# Altium PCB Power Distribution Board.PcbDoc (part 1 of 3) (continued)
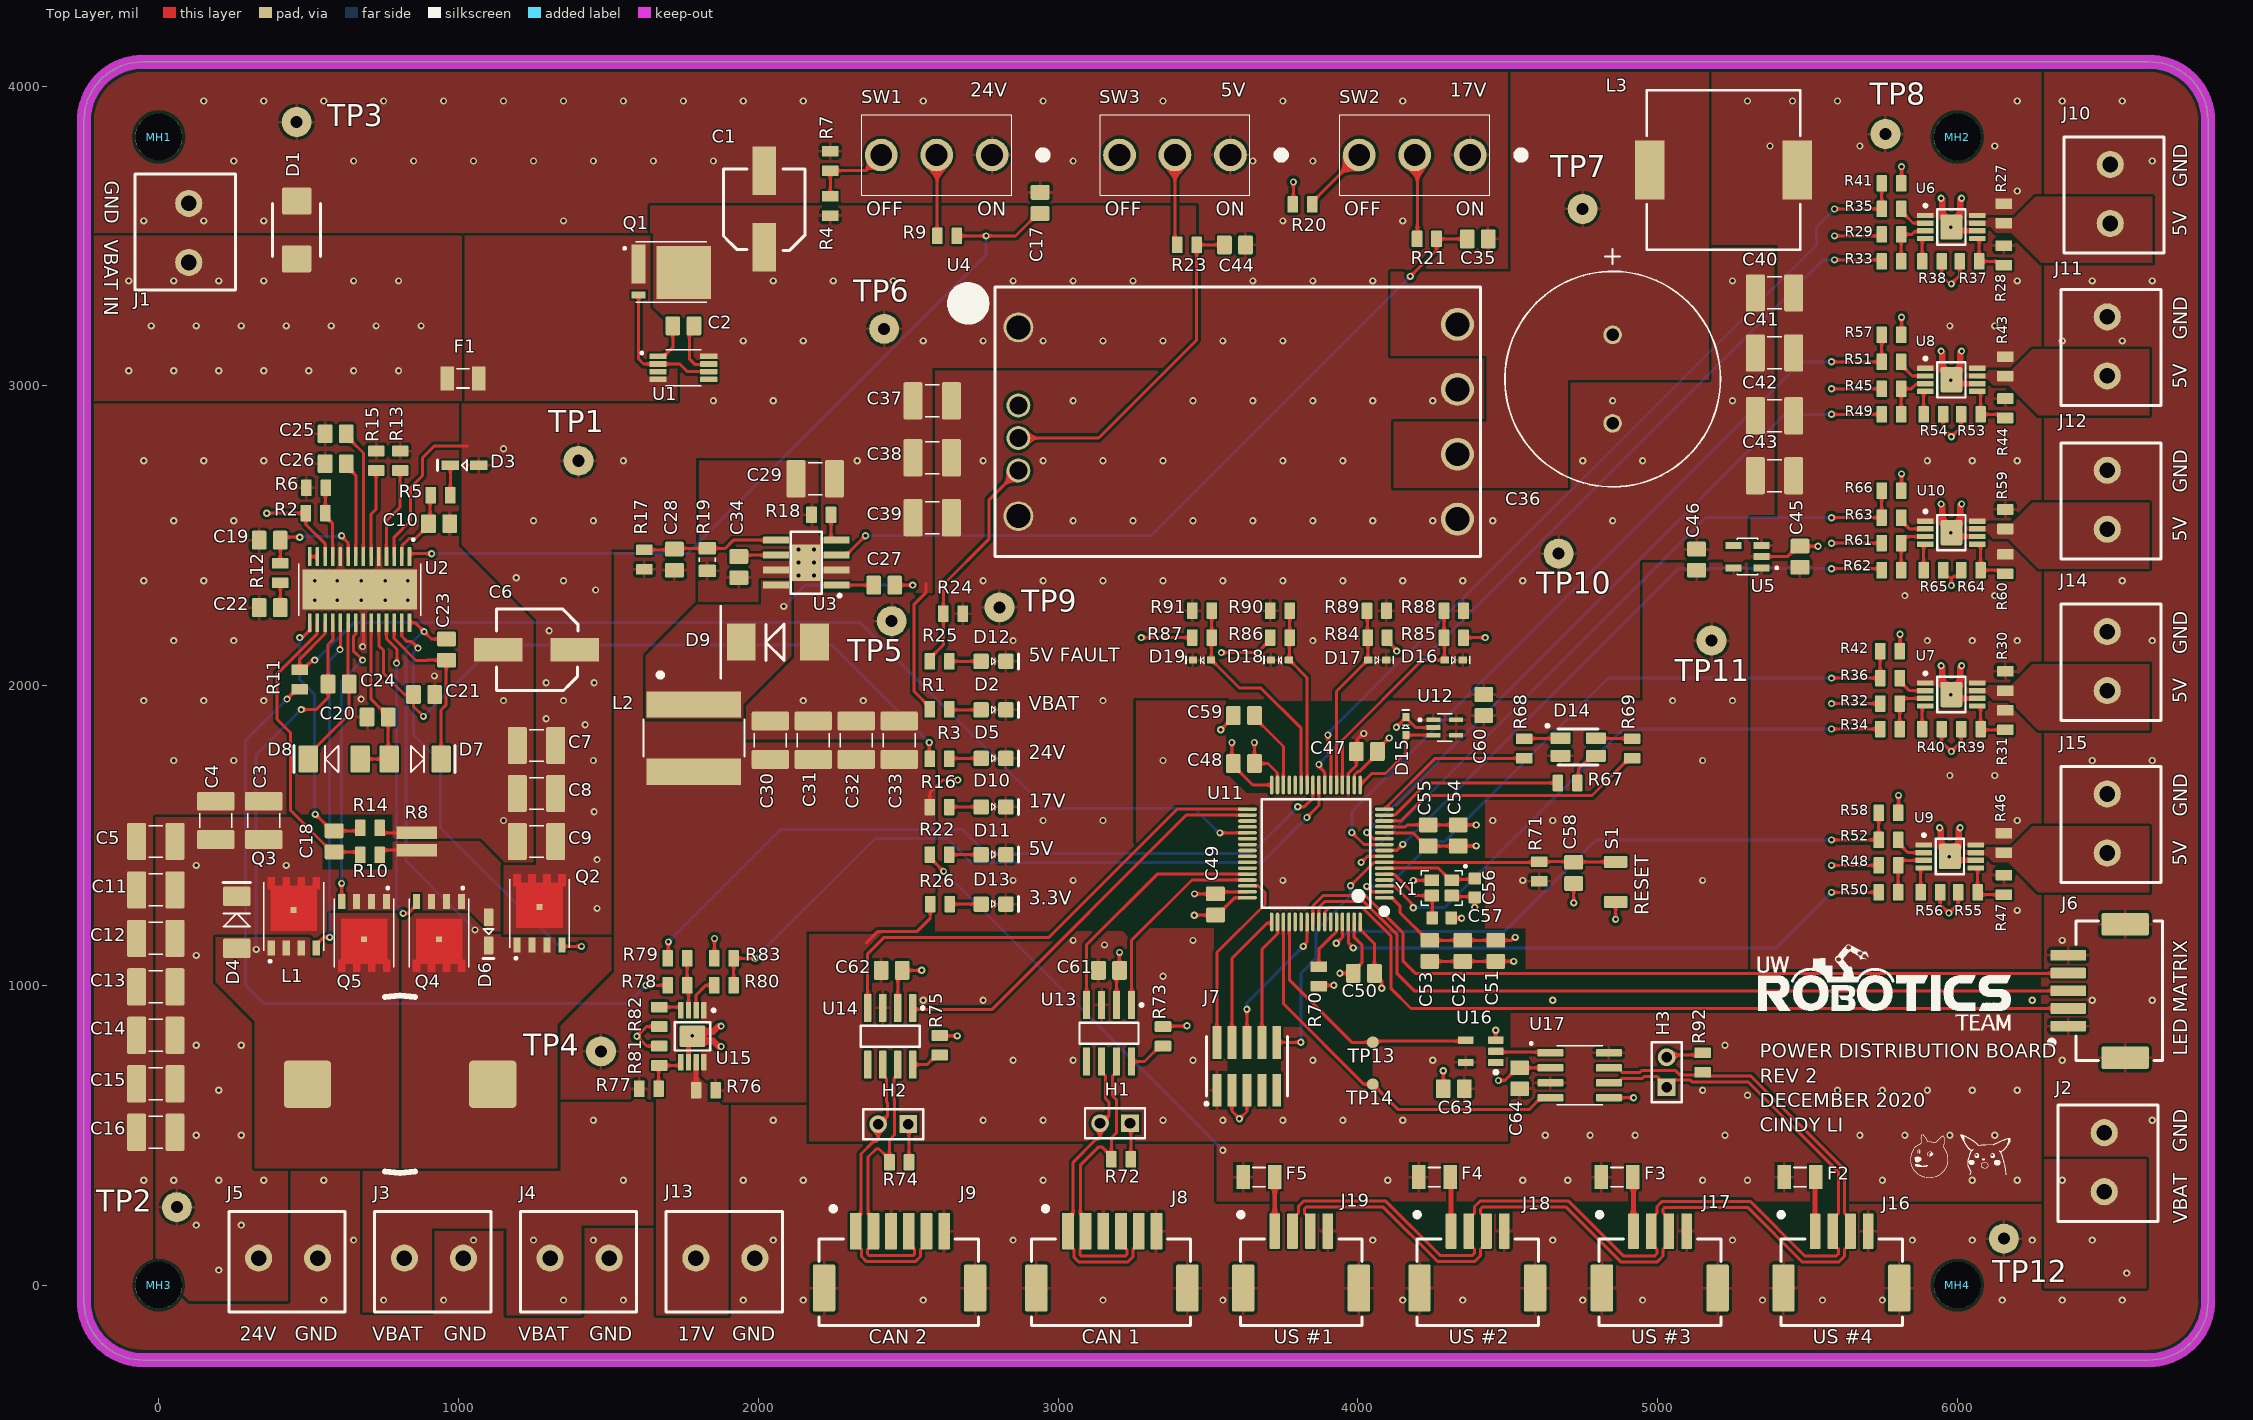
[diagram p0: Top Layer view]
## Design rules (kind name [scope] priority, off if disabled: settings) (continued)

## Classes and differential pairs
component class "SH10 - RS-485": C63 C64 F2 F3 F4 F5 H3 J16 J17 J18 J19 R92 TP13 TP14 TP20 TP21 U16 U17
component class "SH9 - CAN": C61 C62 H1 H2 J8 J9 R72 R73 R74 R75 U13 U14
component class "SH8 - MICROCONTROLLER": C47 C48 C49 C50 C51 C52 C53 C54 C55 C56 C57 C58 C59 C60 D14 D15 J6 J7 MH1 MH2 MH3 MH4 R67 R68 R69 R70 R71 S1 U11 U12 Y1
component class "SH7 - LOAD MONITORING 2": D16 D17 D18 D19 J10 J11 J12 J13 J14 J15 R76 R77 R78 R79 R80 R81 R82 R83 R84 R85 R86 R87 R88 R89 R90 R91 U15
component class "SH6 - LOAD MONITORING 1": R27 R28 R29 R30 R31 R32 R33 R34 R35 R36 R37 R38 R39 R40 R41 R42 R43 R44 R45 R46 R47 R48 R49 R50 R51 R52 R53 R54 R55 R56 R57 R58 R59 R60 R61 R62 R63 R64 R65 R66 U6 U7 U8 U9 U10
component class "SH5 - 3.3V LINEAR REGULATOR": C45 C46 D13 R26 TP11 TP12 U5
component class "SH4 - 5V VICOR DCDC": C36 C37 C38 C39 C40 C41 C42 C43 C44 D11 D12 L3 R22 R23 R24 R25 SW3 TP6 TP7 TP8 TP9 TP10 U4
component class "SH3 - 17V BUCK CONVERTER": C27 C28 C29 C30 C31 C32 C33 C34 C35 D9 D10 L2 R16 R17 R18 R19 R20 R21 SW2 TP4 TP5 U3
component class "SH2 - 24V BUCK-BOOST CONVERTER": C3 C4 C5 C6 C7 C8 C9 C10 C11 C12 C13 C14 C15 C16 C17 C18 C19 C20 C21 C22 C23 C24 C25 C26 D3 D4 D5 D6 D7 D8 J5 L1 Q2 Q3 Q4 Q5 R2 R3 R4 R5 R6 R7 R8 R9 R10 R11 R12 R13 R14 R15 SW1 TP1 TP2 TP3 U2
component class "SH1 - POWER": C1 C2 D1 D2 F1 J1 J2 J3 J4 Q1 R1 U1
differential pair CANB: +CANB_P -CANB_N
differential pair CANA: +CANA_P -CANA_N
differential pair RS-485: +RS-485_P -RS-485_N

## Components (designator, comment, footprint, x,y, rotation, side; value= is the part's Value field where it differs from the comment)
C1 "CAP_68uF_35V_ALUM" RADIAL_NICHION_1V 2020,3580 r0 top value=68μF
C2 "CAP_2.2uF_25V_0805" CAP2012 1750,3200 r0 top value=2.2μF
C3 "CAP_10uF_100V_1210" CAP1210 350,1550 r90 top value=10μF
C4 "CAP_10uF_100V_1210" CAP1210 190,1550 r90 top value=10μF
C5 "CAP_10uF_100V_1210" CAP1210 -10,1480 r0 top value=10μF
C6 "CAP_68uF_35V_ALUM" RADIAL_NICHION_1V 1270,2120 r90 top value=68μF
C7 "CAP_10uF_100V_1210" CAP1210 1260,1800 r0 top value=10μF
C8 "CAP_10uF_100V_1210" CAP1210 1260,1640 r0 top value=10μF
C9 "CAP_10uF_100V_1210" CAP1210 1260,1480 r0 top value=10μF
C10 "CAP_0.22uF_50V_0805" CAP2012 935,2540 r180 top value=0.22μF
C11 "CAP_10uF_100V_1210" CAP1210 -10,1318.33 r180 top value=10μF
C12 "CAP_10uF_100V_1210" CAP1210 -10,1156.67 r180 top value=10μF
C13 "CAP_10uF_100V_1210" CAP1210 -10,995 r0 top value=10μF
C14 "CAP_10uF_100V_1210" CAP1210 -10,833.33 r180 top value=10μF
C15 "CAP_10uF_100V_1210" CAP1210 -10,671.67 r180 top value=10μF
C16 "CAP_10uF_100V_1210" CAP1210 -10,510 r0 top value=10μF
C17 "CAP_0.1uF_50V_0805" CAP2012 2940,3610 r270 top value=0.1μF
C18 "CAP_47pF_100V_0805" CAP2012 585,1480 r90 top
C19 "CAP_33pF_50V_0805" CAP2012 370,2485 r0 top value=33pF
C20 "CAP_1uF_50V_0805" CAP2012 730,1895 r0 top value=1μF
C21 "CAP_1uF_50V_0805" CAP2012 885,1970 r180 top value=1μF
C22 "CAP_5600pF_50V_0805" CAP2012 370,2260 r0 top
C23 "CAP_0.1uF_50V_0805" CAP2012 960,2120 r270 top value=0.1μF
C24 "CAP_0.1uF_50V_0805" CAP2012 600,2005 r0 top value=0.1μF
C25 "CAP_100pF_50V_0805" CAP2012 590,2840 r0 top value=100pF
C26 "CAP_0.022uF_50V_0805" CAP2012 590,2740 r0 top value=22nF
C27 "CAP_0.22uF_50V_0805" CAP2012 2420,2335 r180 top value=0.22μF
C28 "CAP_470pF_50V_0805" CAP2012 1720,2420 r270 top
C29 "CAP_10uF_100V_1210" CAP1210 2190,2690 r180 top value=10μF
C30 "CAP_10uF_100V_1210" CAP1210 2040,1817.81 r270 top value=10μF
C31 "CAP_10uF_100V_1210" CAP1210 2183.33,1817.81 r270 top value=10μF
C32 "CAP_10uF_100V_1210" CAP1210 2326.67,1817.81 r270 top value=10μF
C33 "CAP_10uF_100V_1210" CAP1210 2470,1817.81 r270 top value=10μF
C34 "CAP_8200pF_50V_0805" CAP2012 1935,2395 r90 top
C35 "CAP_0.1uF_50V_0805" CAP2012 4400,3490 r180 top value=0.1μF
C36 "URS1A103MHD1TN" CAP_UBY_18X25_NC 4850,3170 r270 top
C37 "CAP_10uF_100V_1210" CAP1210 2580,2950 r180 top value=10μF
C38 "CAP_10uF_100V_1210" CAP1210 2580,2760 r180 top value=10μF
C39 "CAP_10uF_100V_1210" CAP1210 2580,2560 r180 top value=10μF
C40 "CAP_10uF_100V_1210" CAP1210 5390,3310 r0 top value=10μF
C41 "CAP_10uF_100V_1210" CAP1210 5390,3110 r0 top value=10μF
C42 "CAP_10uF_100V_1210" CAP1210 5390,2900 r0 top value=10μF
C43 "CAP_10uF_100V_1210" CAP1210 5390,2700 r0 top value=10μF
C44 "CAP_0.1uF_50V_0805" CAP2012 3590,3470 r180 top value=0.1μF
C45 "CAP_1uF_50V_0805" CAP2012 5475,2430 r270 top value=1μF
C46 "CAP_1uF_50V_0805" CAP2012 5130,2420 r270 top value=1μF
C47 "CAP_0.1uF_50V_0805" CAP2012 4030,1780 r180 top value=0.1μF
C48 "CAP_0.1uF_50V_0805" CAP2012 3620,1740 r180 top value=0.1μF
C49 "CAP_0.1uF_50V_0805" CAP2012 3525,1270 r270 top value=0.1μF
C50 "CAP_0.1uF_50V_0805" CAP2012 4020,1040 r0 top value=0.1μF
C51 "CAP_4.7uF_16V_0805" CAP2012 4460,1115 r90 top value=4.7μF
C52 "CAP_0.1uF_50V_0805" CAP2012 4350,1115 r90 top value=0.1μF
C53 "CAP_0.1uF_50V_0805" CAP2012 4240,1115 r90 top value=0.1μF
C54 "CAP_0.01uF_100V_0805" CAP2012 4335,1500 r90 top value=0.01μF
C55 "CAP_1uF_50V_0805" CAP2012 4235,1500 r90 top value=1μF
C56 "CAP_14pF_50V_0603" CAP0603 4390,1325 r90 top value=14pF
C57 "CAP_14pF_50V_0603" CAP0603 4280,1225 r180 top value=14pF
C58 "CAP_1uF_50V_0805" CAP2012 4720,1375 r90 top value=1μF
C59 "CAP_4.7uF_16V_0805" CAP2012 3620,1900 r0 top value=4.7μF
C60 "CAP_0.01uF_100V_0805" CAP2012 4420,1935 r270 top value=0.01μF
C61 "CAP_0.1uF_50V_0805" CAP2012 3170,1050 r0 top value=0.1μF
C62 "CAP_0.1uF_50V_0805" CAP2012 2445,1050 r0 top value=0.1μF
C63 "CAP_0.1uF_50V_0805" CAP2012 4320,655 r180 top value=0.1μF
C64 "CAP_0.1uF_50V_0805" CAP2012 4540,690 r90 top value=0.1μF
D1 "TVS_DIODE_BIDIR_26V" TVS_DIODE_BIDIRECTIONAL 460,3520 r270 top
D2 "DIO_LED_G" LED_0805_GREEN 2784.55,1919 r0 top
D3 "DIO_SCHOTTKY_40V_520mA" SOD-323 1020,2735 r180 top
D4 "DIO_SCHOTTKY_30V_2A" SOD-128 260,1210 r90 top
D5 "DIO_LED_G" LED_0805_GREEN 2784.55,1757 r0 top
D6 "DIO_SCHOTTKY_40V_520mA" SOD-323 1100,1180 r270 top
D7 "DIO_SCHOTTKY_30V_2A" SOD-128 855,1755 r0 top
D8 "DIO_SCHOTTKY_30V_2A" SOD-128 585,1755 r180 top
D9 "B540C-13-F" "DO214AB SMC" 2065,2145 r180 top
D10 "DIO_LED_G" LED_0805_GREEN 2784.55,1595 r0 top
D11 "DIO_LED_G" LED_0805_GREEN 2784.55,1436 r0 top
D12 "DIO_LED_R" LED_0805_RED 2784.55,2081 r0 top
D13 "DIO_LED_G" LED_0805_GREEN 2784.55,1271 r0 top
D14 "LED_RGB" LED_RGB 4735,1795 r270 top
D15 "TVS_DIODE_UNIDIR_3.3V" SOD523 4160,1865 r90 top
D16 "TVS_DIODE_UNIDIR_3.3V" SOD523 4320,2085 r0 top
D17 "TVS_DIODE_UNIDIR_3.3V" SOD523 4065,2085 r0 top
D18 "TVS_DIODE_UNIDIR_3.3V" SOD523 3740,2085 r180 top
D19 "TVS_DIODE_UNIDIR_3.3V" SOD523 3480,2085 r180 top
F1 "FUSE_8A_1206" FUSE_1206 1015,3025 r0 top
F2 "FUSE_250mA_1206" FUSE_1206 5475,360 r180 top
F3 "FUSE_250mA_1206" FUSE_1206 4865,360 r180 top
F4 "FUSE_250mA_1206" FUSE_1206 4255,360 r180 top
F5 "FUSE_250mA_1206" FUSE_1206 3670,360 r180 top
H1 "JUMPER_2" HDR1X2 3240,540 r180 top
H2 "JUMPER_2" HDR1X2 2499.76,537.09 r180 top
H3 "JUMPER_2" HDR1X2 5030,660 r90 top
J1 "CON_2M_TERM" 1935161 100,3510 r270 top
J2 "CON_2M_TERM" 1935161 6490,410 r90 top
J3 "CON_2M_TERM" 1935161 917.72,90 r0 top
J4 "CON_2M_TERM" 1935161 1403.86,90 r0 top
J5 "CON_2M_TERM" 1935161 431.57,90 r0 top
J6 "CON_5M_SM_RA" MOLEX-5025850570 6370,863.78 r270 top
J7 "CON_PROGRAMMING" FTSH-105-01-F-DV-K-P-TR 3630,730 r0 top
J8 "CON_6M_SM_RA_1.5mm" MOLEX-5025850670 3032.83,180 r180 top
J9 "CON_6M_SM_RA_1.5mm" MOLEX-5025850670 2324.72,180 r180 top
J10 "CON_2M_TERM" 1935161 6510,3640 r90 top
J11 "CON_2M_TERM" 1935161 6500,3131.57 r90 top
J12 "CON_2M_TERM" 1935161 6500,2620 r90 top
J13 "CON_2M_TERM" 1935161 1890,90 r0 top
J14 "CON_2M_TERM" 1935161 6500,2081.57 r90 top
J15 "CON_2M_TERM" 1935161 6500,1540 r90 top
J16 "CON_4M_SM_RA" MOLEX-5025850470 5525.31,179.75 r180 top
J17 "CON_4M_SM_RA" MOLEX-5025850470 4919.49,179.75 r180 top
J18 "CON_4M_SM_RA" MOLEX-5025850470 4310.94,180 r180 top
J19 "CON_4M_SM_RA" MOLEX-5025850470 3722.83,180 r180 top
L1 "IND_2.2uH_9A" IND_BOURNS_SDR1806 805,670 r0 top
L2 "SRN8040-2R2Y" IND_BOURNS_SRN80 1785,1825 r270 top
L3 "744309033" "WE-HCM 1390" 5220,3720 r0 top
MH1 "MOUNTING_HOLE_5/32" MOUNTING_HOLE_5/38#1 120,3890 r0 top
MH2 "MOUNTING_HOLE_5/32" MOUNTING_HOLE_5/38#2 4740,3910 r0 top
MH3 "MOUNTING_HOLE_5/32" MOUNTING_HOLE_5/38#3 60,30 r0 top
MH4 "MOUNTING_HOLE_5/32" MOUNTING_HOLE_5/38#4 4820,20 r0 top
Q1 "NMOS_40V_100A" TRANS_BSC007N04LS6ATMA1 1710,3380 r0 top
Q2 "NMOS_60V_10.8A" TRANS_DMP2002UPS-13 1270,1240 r90 top
Q3 "NMOS_60V_10.8A" TRANS_DMP2002UPS-13 450,1230 r90 top
Q4 "NMOS_60V_10.8A" TRANS_DMP2002UPS-13 935,1174.88 r270 top
Q5 "NMOS_60V_10.8A" TRANS_DMP2002UPS-13 685,1174.88 r270 top
R1 "RES_4.7kΩ_0805_5%" RESC0805 2604.55,1921 r180 top value=4.7kΩ
R2 "RES_576kΩ_0805_1%" RESC0805 523,2575 r180 top value=576kΩ
R3 "RES_4.7kΩ_0805_5%" RESC0805 2604.55,1755.15 r180 top value=4.7kΩ
R4 "RES_249kΩ_0805_1%" RESC0805 2240,3600 r270 top value=249kΩ
R5 "RES_10Ω_0805_1%" RESC0805 940,2635 r0 top value=10Ω
R6 "RES_20kΩ_0805_1%" RESC0805 525,2660 r0 top value=20kΩ
R7 "RES_18.7kΩ_0805_1%" RESC0805 2240,3750 r270 top value=18.7kΩ
R8 "RES_16mΩ_1206_1%" RESC1632X60N 860,1480 r270 top value=16mΩ
R9 "RES_1kΩ_0805_1%" RESC0805 2630,3500 r0 top
R10 "RES_100Ω_0805_1%" RESC0805 705,1435 r180 top value=100Ω
R11 "RES_20kΩ_0805_1%" RESC0805 470,2020 r270 top value=20kΩ
R12 "RES_26.7kΩ_0805_1%" RESC0805 405,2375 r90 top value=26.7kΩ
R13 "RES_93.1kΩ_0805_1%" RESC0805 805,2750 r270 top value=93.1kΩ
R14 "RES_100Ω_0805_1%" RESC0805 705,1525 r180 top value=100Ω
R15 "RES_73.2kΩ_0805_1%" RESC0805 725,2750 r270 top value=73.2kΩ
R16 "RES_3.3kΩ_0805_1%" RESC0805 2604.55,1594.72 r180 top
R17 "RES_221kΩ_0805_1%" RESC0805 1620,2420 r270 top
R18 "RES_13.7kΩ_0805_1%" RESC0805 2210,2570 r0 top
R19 "RES_10.2kΩ_0805_1%" RESC2012X60N 1830,2420 r90 top
R20 "RES_1kΩ_0805_1%" RESC0805 3815,3605 r180 top
R21 "RES_1kΩ_0805_1%" RESC0805 4230,3490 r0 top
R22 "RES_1kΩ_0805_1%" RESC0805 2604.55,1436 r180 top
R23 "RES_1kΩ_0805_1%" RESC0805 3430,3470 r0 top
R24 "RES_49.9kΩ_0805_1%" RESC0805 2650,2240 r0 top
R25 "RES_1kΩ_0805_1%" RESC0805 2604.55,2081 r180 top
R26 "RES_220Ω_0805_5%" RESC0805 2606.04,1271 r180 top value=220Ω
R27 "RES_10kΩ_0805_5%" RESC0805 6155,3575 r90 top value=10kΩ
R28 "RES_10kΩ_0805_5%" RESC0805 6155,3435 r90 top value=10kΩ
R29 "RES_10kΩ_0805_5%" RESC0805 5780,3505 r180 top value=10kΩ
R30 "RES_10kΩ_0805_5%" RESC0805 6160,2015 r90 top value=10kΩ
R31 "RES_10kΩ_0805_5%" RESC0805 6160,1885 r90 top value=10kΩ
R32 "RES_10kΩ_0805_5%" RESC0805 5775,1940 r180 top value=10kΩ
R33 "RES_1kΩ_0805_1%" RESC0805 5780,3415 r180 top
R34 "RES_1kΩ_0805_1%" RESC0805 5775,1855 r180 top
R35 "RES_1kΩ_0805_1%" RESC0805 5780,3590 r0 top
R36 "RES_1kΩ_0805_1%" RESC0805 5775,2025 r0 top
R37 "RES_0Ω_0805" RESC0805 6040,3415 r0 top value=0Ω
R38 "RES_402Ω_0805_1%" RESC0805 5915,3415 r180 top value=402Ω
R39 "RES_0Ω_0805" RESC0805 6045,1855 r0 top value=0Ω
R40 "RES_402Ω_0805_1%" RESC0805 5915,1855 r180 top value=402Ω
R41 "RES_10kΩ_0805_5%" RESC0805 5780,3675 r180 top value=10kΩ
R42 "RES_10kΩ_0805_5%" RESC0805 5775,2115 r180 top value=10kΩ
R43 "RES_10kΩ_0805_5%" RESC0805 6160,3065 r90 top value=10kΩ
R44 "RES_10kΩ_0805_5%" RESC0805 6160,2925 r90 top value=10kΩ
R45 "RES_10kΩ_0805_5%" RESC0805 5780,2990 r180 top value=10kΩ
R46 "RES_10kΩ_0805_5%" RESC0805 6155,1475 r90 top value=10kΩ
R47 "RES_10kΩ_0805_5%" RESC0805 6155,1335 r90 top value=10kΩ
R48 "RES_10kΩ_0805_5%" RESC0805 5770,1400 r180 top value=10kΩ
R49 "RES_1kΩ_0805_1%" RESC0805 5780,2905 r180 top
R50 "RES_1kΩ_0805_1%" RESC0805 5770,1310 r180 top
R51 "RES_1kΩ_0805_1%" RESC0805 5780,3080 r0 top
R52 "RES_1kΩ_0805_1%" RESC0805 5770,1485 r0 top
R53 "RES_0Ω_0805" RESC0805 6045,2905 r0 top value=0Ω
R54 "RES_402Ω_0805_1%" RESC0805 5920,2905 r180 top value=402Ω
R55 "RES_0Ω_0805" RESC0805 6035,1310 r0 top value=0Ω
R56 "RES_402Ω_0805_1%" RESC0805 5910,1310 r180 top value=402Ω
R57 "RES_10kΩ_0805_5%" RESC0805 5780,3170 r180 top value=10kΩ
R58 "RES_10kΩ_0805_5%" RESC0805 5770,1575 r180 top value=10kΩ
R59 "RES_10kΩ_0805_5%" RESC0805 6160,2555 r90 top value=10kΩ
R60 "RES_10kΩ_0805_5%" RESC0805 6160,2405 r90 top value=10kΩ
R61 "RES_10kΩ_0805_5%" RESC0805 5780,2475 r180 top value=10kΩ
R62 "RES_1kΩ_0805_1%" RESC0805 5780,2385 r180 top
R63 "RES_1kΩ_0805_1%" RESC0805 5780,2560 r0 top
R64 "RES_0Ω_0805" RESC0805 6045,2385 r0 top value=0Ω
R65 "RES_402Ω_0805_1%" RESC0805 5920,2385 r180 top value=402Ω
R66 "RES_10kΩ_0805_5%" RESC0805 5780,2650 r180 top value=10kΩ
R67 "RES_20Ω_0805_1%" RESC0805 4700,1675 r180 top value=20Ω
R68 "RES_120Ω_0805_1%" RESC0805 4555,1790 r90 top
R69 "RES_20Ω_0805_1%" RESC0805 4915,1790 r270 top value=20Ω
R70 "RES_10kΩ_0805_5%" RESC0805 3870,1030 r270 top value=10kΩ
R71 "RES_10kΩ_0805_5%" RESC0805 4605,1380 r270 top value=10kΩ
R72 "RES_120Ω_0805_1%" RESC0805 3210,420 r0 top
R73 "RES_0Ω_0805" RESC0805 3350,830 r270 top value=0Ω
R74 "RES_120Ω_0805_1%" RESC0805 2470,410 r0 top
R75 "RES_0Ω_0805" RESC0805 2605,800 r270 top value=0Ω
R76 "RES_10kΩ_0805_5%" RESC0805 1825,650 r0 top value=10kΩ
R77 "RES_10kΩ_0805_5%" RESC0805 1635,655 r180 top value=10kΩ
R78 "RES_10kΩ_0805_5%" RESC0805 1730,1000 r180 top value=10kΩ
R79 "RES_1kΩ_0805_1%" RESC0805 1730,1090 r180 top
R80 "RES_1kΩ_0805_1%" RESC0805 1885,1000 r180 top
R81 "RES_0Ω_0805" RESC0805 1670,765 r270 top value=0Ω
R82 "RES_402Ω_0805_1%" RESC0805 1670,895 r90 top value=402Ω
R83 "RES_10kΩ_0805_5%" RESC0805 1885,1090 r0 top value=10kΩ
R84 "RES_5.6kΩ_0805" RESC0805 4065,2160 r0 top value=5.6kΩ
R85 "RES_2.2kΩ_0805" RESC0805 4320,2160 r0 top value=2.2kΩ
R86 "RES_9.1kΩ_0805" RESC0805 3740,2160 r180 top value=9.1kΩ
R87 "RES_9.1kΩ_0805" RESC0805 3480,2160 r180 top value=9.1kΩ
R88 "RES_3.3kΩ_0805_1%" RESC0805 4320,2250 r180 top
R89 "RES_1.2kΩ_0805" RESC0805 4062.99,2250 r180 top value=1.2kΩ
R90 "RES_1.3kΩ_0805" RESC0805 3740,2250 r0 top value=1.3kΩ
R91 "RES_1.3kΩ_0805" RESC0805 3480,2250 r0 top value=1.3kΩ
R92 "RES_120Ω_0805_1%" RESC0805 5150,742.99 r90 top
S1 "SW_TACTILE" B3U-1000P 4860,1345 r90 top
SW1 "SW_SPDT" 100SP1T1B4M2QE 2594.96,3770 r180 top
SW2 "SW_SPDT" 100SP1T1B4M2QE 4190,3770 r180 top
SW3 "SW_SPDT" 100SP1T1B4M2QE 3390,3770 r180 top
TP1 "TESTPOINT_LOOP" TESTPOINT_LOOP 1400,2750 r0 top
TP2 "TESTPOINT_LOOP" TESTPOINT_LOOP 60,260 r0 top
TP3 "TESTPOINT_LOOP" TESTPOINT_LOOP 460,3880 r0 top
TP4 "TESTPOINT_LOOP" TESTPOINT_LOOP 1475,780 r0 top
TP5 "TESTPOINT_LOOP" TESTPOINT_LOOP 2445,2215 r0 top
TP6 "TESTPOINT_LOOP" TESTPOINT_LOOP 2420,3190 r0 top
TP7 "TESTPOINT_LOOP" TESTPOINT_LOOP 4750,3590 r0 top
TP8 "TESTPOINT_LOOP" TESTPOINT_LOOP 5760,3840 r0 top
TP9 "TESTPOINT_LOOP" TESTPOINT_LOOP 2804.55,2261 r0 top
TP10 "TESTPOINT_LOOP" TESTPOINT_LOOP 4670,2440 r180 top
TP11 "TESTPOINT_LOOP" TESTPOINT_LOOP 5180,2150 r180 top
TP12 "TESTPOINT_LOOP" TESTPOINT_LOOP 6155,155 r180 top
TP13 "TESTPOINT_1MM_CIRCLE" TESTPOINT_CIRCLE_1MM 4050,810 r0 top
TP14 "TESTPOINT_1MM_CIRCLE" TESTPOINT_CIRCLE_1MM 4050,670 r180 top
U1 "LM74610QDGKRQ1" SOP65P490X110-8N 1750,3060 r0 top
U2 "LM5175PWPR" IC_TPS61196PWPRQ1 670,2320 r270 top
U3 "LMR14050SDDAR" 8-PowerSOIC 2160,2410 r180 top
U4 "DCM3623T50T0680" DCM3623T50T0680 3600,2880 r0 top
U5 "LDO_3.3V_600mA" SOT95P285X140-5N 5300,2430 r180 top
U6 "TPS1H200A-Q1" DGN0008G 5980,3530 r0 top
U7 "TPS1H200A-Q1" DGN0008G 5980,1970 r0 top
U8 "TPS1H200A-Q1" DGN0008G 5980,3020 r0 top
U9 "TPS1H200A-Q1" DGN0008G 5975,1430 r0 top
U10 "TPS1H200A-Q1" DGN0008G 5980,2510 r0 top
U11 "STM32F446RET6" STM-LQFP64_L 3860,1440 r180 top
U12 "IC TEMPERATURE_SENSOR" SOT65P210X110-5N 4290,1860 r0 top
U13 "LTC2875" LT-S8_N 3170,840 r270 top
U14 "LTC2875" LT-S8_N 2440,830 r270 top
U15 "TPS1H200A-Q1" DGN0008G 1780,830 r270 top
U16 "SN74LV1T34" SN74LV1T34DBVR 4410,780 r180 top
U17 "MAX485CSA" SOIC127P600X175-8N 4740,700 r0 top
Y1 "CRYSTAL_25MHZ" SOIC254P1016X440-4N 4280,1325 r180 top

## Footprints (in the part's own frame and the unit in brackets; to place one, negate y for a bottom-side part, rotate by r counter-clockwise, add the part's x,y. Pads: shape width x height; smd on the part's side, far side on the other; paste and mask are expansions set on the pad)
8-PowerSOIC [mm] "Texas Instruments 8-SO PowerPad"
  rrect15% 2.2x0.6 smd: 1(-2.565,1.905) 2(-2.565,0.635) 3(-2.565,-0.635) 4(-2.565,-1.905) 5(2.565,-1.905) 6(2.565,-0.635) 7(2.565,0.635) 8(2.565,1.905)
  rect 2.4x3.1 smd: 9(0,0)
  silkscreen extent -2.95,-2.63 1.32,2.92, body extent -3,-2.45 3,2.45, height 1.75
100SP1T1B4M2QE [mm]
  round 2.775 hole 1.85: 1(-4.7,0) 2(0,0) 3(4.7,0)
  silkscreen extent -9.3,-3.43 6.35,3.43, body extent -6.35,-3.43 6.35,3.43, height 29.63
1935161 [mm] "TERM BLK 2POS SIDE ENTRY 5MM PCB"
  round 2.3 hole 1.325: 1(-2.5,0) 2(2.5,0)
  silkscreen extent -5.01,-4.57 4.83,3.94, body extent -5.01,-5.06 5.39,3.94, height 11.41
B3U-1000P [mm] "TACTILE SWITCH GREY"
  rrect15% 1x2 smd: 1(-1.7,0) 2(1.7,0)
  body extent -2,-1.25 2,1.25, height 1.6
CAP0603 [mm]
  rrect20% 1x1.1 smd: 1(-0.8,0) 2(0.8,0)
  body extent -0.87,-0.48 0.88,0.48, height 0.87
CAP1210 [mm]
  rrect15% 1.6x3.15 smd: 1(-1.625,0) 2(1.625,0)
  silkscreen extent -0.6,-1.35 0.6,1.35, body extent -1.7,-1.35 1.7,1.35, height 2.1
CAP2012 [mm]
  rrect20% 1.25x1.6 smd: 1(-0.895,0) 2(0.895,0)
  body extent -1.1,-0.7 1.1,0.75, height 1.41
CAP_UBY_18X25_NC [mil]
  round 62 hole 42 mask+0: 1(0,0) 2(295.28,0)
  silkscreen extent -287,-359 507,360, body extent -207,-354 502,354, height 1044
DCM3623T50T0680 [mm] "DC to DC Converter"
  round 2.53 hole 2.03: A(-18.6,8) E(-18.6,-8)
  round 2.79 hole 2.03: A'(18.6,8.25) B'(18.6,2.75) C'(18.6,-2.75) D'(18.6,-8.25)
  round 2.02 hole 1.52: B(-18.6,1.38) C(-18.6,-1.38) D(-18.6,-4.13)
  silkscreen extent -23.75,-11.4 20.57,11.4, body extent -19.54,-11.4 19.18,11.4, height 7.28
DGN0008G [mm] "8-TSSOP, 8-MSOP (0.118\", 3.00mm Width) Exposed Pad"
  rrect15% 1.4x0.45 smd: 1(-2.2,0.975) 2(-2.2,0.325) 3(-2.2,-0.325) 4(-2.2,-0.975) 5(2.2,-0.975) 6(2.2,-0.325) 7(2.2,0.325) 8(2.2,0.975)
  rrect15% 1.846x2.15 smd: 9(0,0)
  silkscreen extent -2.32,-1.5 1.2,1.92, body extent -2.45,-1.5 2.45,1.5, height 1.1
"DO214AB SMC" [mm] "Molded Diode, 2-Leads, Body 6.85x5.90mm, IPC Medium Density"
  rect 2.45x3.15 smd: 1(-3.1,0) 2(3.1,0)
  silkscreen extent -0.52,-3.05 4.83,3.05, body extent -3.97,-2.95 3.97,2.95, height 2.6
FTSH-105-01-F-DV-K-P-TR [mil] "Samtec programming header 10 positions"
  rect 29x110 smd mask+2: 1(-100,-80) 2(-100,80) 3(-50,-80) 4(-50,80) 5(0,-80) 6(0,80) 7(50,-80) 8(50,80) 9(100,-80) 10(100,80)
  silkscreen extent -140,-130 135,100, body extent -125,-115 125,175, height 276
FUSE_1206 [mil]
  rect 45x80 smd mask+1: 1(-52.5,0) 2(52.5,0)
  silkscreen extent -20,-32 20,32, body extent -65,-32 65,32, height 32
HDR1X2 [mm] "Connector; Header; 2 Position"
  rect 1.5x1.5 hole 0.9: 1(0,0)
  round 1.5 hole 0.9: 2(2.54,0)
  silkscreen extent -1.27,-1.27 3.81,1.27, body extent -1.27,-1.27 3.81,1.27, height 6.35
IC_TPS61196PWPRQ1 [mm]
  rrect25% 1.6x0.3 smd paste-2 mask+0: 1(-2.8,4.225) 2(-2.8,3.575) 3(-2.8,2.925) 4(-2.8,2.275) 5(-2.8,1.625) 6(-2.8,0.975) 7(-2.8,0.325) 8(-2.8,-0.325) 9(-2.8,-0.975) 10(-2.8,-1.625) 11(-2.8,-2.275) 12(-2.8,-2.925) 13(-2.8,-3.575) 14(-2.8,-4.225) 15(2.8,-4.225) 16(2.8,-3.575) 17(2.8,-2.925) 18(2.8,-2.275) 19(2.8,-1.625) 20(2.8,-0.975) 21(2.8,-0.325) 22(2.8,0.325) 23(2.8,0.975) 24(2.8,1.625) 25(2.8,2.275) 26(2.8,2.925) 27(2.8,3.575) 28(2.8,4.225)
  rect 3.4x9.7 smd paste-6 mask+0: 29(0,0)
  silkscreen extent -4.34,-5.17 2.2,5.17, body extent -3.2,-4.85 3.2,4.85, height 1.2
IND_BOURNS_SDR1806 [mm]
  rrect15% 4x4 smd mask+0.2: 1(-7.85,0) 2(7.85,0)
  silkscreen extent -1.27,-7.5 1.27,7.5, body extent -9.15,-7 9.15,7, height 6.6
IND_BOURNS_SRN80 [mil]
  rect 87x315 smd paste+0 mask+0: 1(-112.5,0) 2(112.5,0)
  silkscreen extent -218,-168 62,168, body extent -160,-156 160,156, height 156
LED_0805_GREEN [mm] "SMD, 2-Leads, Body 2x1.25mm"
  rrect20% 1.3x1.3 smd: 1(-1.05,0) 2(1.05,0)
  silkscreen extent -0.13,-0.64 2.11,0.64, body extent -1,-0.62 1,0.63, height 1.12
LED_0805_RED [mm] "SMD, 2-Leads, Body 2x1.25mm"
  rrect20% 1.3x1.3 smd: 1(-1.05,0) 2(1.05,0)
  silkscreen extent -0.15,-0.64 2.11,0.64, body extent -1,-0.62 1,0.63, height 1.12
LED_RGB [mm]
  rrect20% 1x1.7 smd: 1(-0.75,-1.5) 2(-0.75,1.5) 3(0.75,1.5) 4(0.75,-1.5)
  silkscreen extent -1.92,-2.72 1.53,1.7, body extent -1.4,-1.75 1.4,1.75, height 1.89
LT-S8_N [mm] "SOP, 8-Leads, Body 4.9x3.9mm, Pitch 1.27mm, IPC Medium Density"
  rrect20% 2.375x0.625 smd: 1(-2.4,1.905) 2(-2.4,0.635) 3(-2.4,-0.635) 4(-2.4,-1.905) 5(2.4,-1.905) 6(2.4,-0.635) 7(2.4,0.635) 8(2.4,1.905)
  silkscreen extent -2.52,-2.5 0.9,2.88, body extent -2.91,-2.4 2.87,2.5, height 1.45
MOLEX-5025850470 [mm] "CLIK-Mate, Surface Mount, Right Angle, 1.5mm pitch"
  rrect15% 1.9x4 smd: 0(-7.125,4.82) 0(2.675,4.82)
  rrect15% 0.9x3 smd: 1(0,0) 2(-1.5,0) 3(-3,0) 4(-4.5,0)
  silkscreen extent -7.4,-1.6 3.07,8, body extent -7.45,-0.62 2.85,7.88, height 6.41
MOLEX-5025850570 [mm]
  rrect15% 1.9x4 smd: 0(-8.625,4.82) 0(2.675,4.82)
  rrect15% 0.9x3 smd: 1(0,0) 2(-1.5,0) 3(-3,0) 4(-4.5,0) 5(-6,0)
  silkscreen extent -8.9,-1.6 2.9,8, body extent -8.9,-0.5 2.9,8, height 6.21
MOLEX-5025850670 [mm]
  rrect15% 1.9x4 smd: 0(-10.125,4.82) 0(2.675,4.82)
  rrect15% 1x3.1 smd: 1(0,0) 2(-1.5,0) 3(-3,0) 4(-4.5,0) 5(-6,0) 6(-7.5,0)
  silkscreen extent -10.4,-2.1 3.1,8, body extent -10.25,-0.62 3.05,7.88, height 6.41
MOUNTING_HOLE_5/38#1 [mm] "Meant to use with Mcmaster-carr PN: 91443A250"
  round 3.97 hole 3.97 unplated mask+0.3: 0(-3.048,-1.524)
MOUNTING_HOLE_5/38#2 [mm] "Meant to use with Mcmaster-carr PN: 91443A250"
  round 3.97 hole 3.97 unplated mask+0.3: 0(32.004,-2.032)
MOUNTING_HOLE_5/38#3 [mm] "Meant to use with Mcmaster-carr PN: 91443A250"
  round 3.97 hole 3.97 unplated mask+0.3: 0(-1.524,-0.762)
MOUNTING_HOLE_5/38#4 [mm] "Meant to use with Mcmaster-carr PN: 91443A250"
  round 3.97 hole 3.97 unplated mask+0.3: 0(29.972,-0.508)
RADIAL_NICHION_1V [mm] "Size G radial surface mount capacitor"
  rect 2x4.1 smd: 1(0,-3) 2(0,3.5)
  silkscreen extent -3.46,-3.25 3.46,3.62, body extent -3.4,-3.3 3.2,3.7, height 7.95
RESC0805 [mm] "Chip Resistor, 2-Leads, Body 2.00x1.25mm, IPC High Density"
  rrect15% 0.9x1.4 smd: 1(-0.825,0) 2(0.825,0)
  body extent -1,-0.62 1,0.63, height 0.61
RESC1632X60N [mm]
  rect 1.06x3.42 smd: 1(-0.728,0) 2(0.728,0)
  body extent -0.8,-1.62 0.8,1.58, height 0.6
RESC2012X60N [mm]
  rrect20% 1.05x1.5 smd: 1(-0.955,0) 2(0.955,0)
  silkscreen extent -0.17,-0.68 0.17,0.68, body extent -1,-0.62 1,0.62, height 0.6
SN74LV1T34DBVR [mm] "SOT-23-5, Unidirectional level shifter"
  rrect15% 1.3x0.63 smd mask+0.05: 1(-1.279,0.95) 2(-1.279,0) 3(-1.279,-0.95) 4(1.279,-0.95) 5(1.279,0.95)
  silkscreen extent -1.42,1.64 -1.14,1.92, body extent -1.4,-1.45 1.4,1.45, height 1.2
SOD523 [mm] "ESD5Z3.3T1G"
  rrect15% 0.7x0.6 smd: 1(-0.76,0) 2(0.76,0)
  silkscreen extent -0.18,-0.3 1.35,0.31, body extent -0.8,-0.4 0.8,0.4, height 0.7
SOD-128 [mm]
  rrect15% 1.65x2.3 smd: 1(-2.2,0) 2(2.2,0)
  silkscreen extent -0.36,-1.15 3.4,1.15, body extent -2.43,-1.24 2.43,1.24, height 1.05
SOD-323 [mm]
  rrect15% 1.5x0.8 smd: 1(-1.2,0) 2(1.2,0)
  silkscreen extent -0.21,-0.45 2.29,0.45, body extent -1.24,-0.62 1.24,0.62, height 1.1
SOIC127P600X175-8N [mm]
  rrect15% 2.2x0.6 smd: 1(-2.475,1.905) 2(-2.475,0.635) 3(-2.475,-0.635) 4(-2.475,-1.905) 5(2.475,-1.905) 6(2.475,-0.635) 7(2.475,0.635) 8(2.475,1.905)
  silkscreen extent -4.2,-2.51 1.95,2.8, body extent -3,-2.45 3,2.45, height 1.75
SOIC254P1016X440-4N [mm]
  rrect15% 1.25x1 smd: 1(-0.85,-0.65) 2(0.85,-0.65) 3(0.85,0.65) 4(-0.85,0.65)
  silkscreen extent -2.11,-1.93 1.75,1.47, body extent -1.24,-0.85 1.24,0.85, height 0.56
SOP65P490X110-8N [mm]
  rrect25% 1.47x0.48 smd mask+0.102: 1(-2.15,0.975) 2(-2.15,0.325) 3(-2.15,-0.325) 4(-2.15,-0.975) 5(2.15,-0.975) 6(2.15,-0.325) 7(2.15,0.325) 8(2.15,0.975)
  silkscreen extent -3.62,-1.54 1.5,1.54, body extent -2.45,-1.5 2.45,1.5, height 1.1
SOT65P210X110-5N [mm]
  rrect25% 1.19x0.4 smd: 1(-0.96,0.65) 2(-0.96,0) 3(-0.96,-0.65) 4(0.96,-0.65) 5(0.96,0.65)
  silkscreen extent -2.2,-1.17 0.63,1.17, body extent -1.05,-1 1.05,1, height 1.1
SOT95P285X140-5N [mm]
  rrect15% 1.35x0.6 smd: 1(-1.185,0.95) 2(-1.185,0) 3(-1.185,-0.95) 4(1.185,-0.95) 5(1.185,0.95)
  silkscreen extent -2.57,-1.55 0.85,1.55, body extent -1.4,-1.5 1.4,1.5, height 1.4
STM-LQFP64_L [mm] "QFP, 64-Leads, Body 10x10mm, Pitch 0.5mm, IPC High Density"
  oval 1.6x0.3 smd: 1(-5.8,3.75) 2(-5.8,3.25) 3(-5.8,2.75) 4(-5.8,2.25) 5(-5.8,1.75) 6(-5.8,1.25) 7(-5.8,0.75) 8(-5.8,0.25) 9(-5.8,-0.25) 10(-5.8,-0.75) 11(-5.8,-1.25) 12(-5.8,-1.75) 13(-5.8,-2.25) 14(-5.8,-2.75) 15(-5.8,-3.25) 16(-5.8,-3.75) 33(5.8,-3.75) 34(5.8,-3.25) 35(5.8,-2.75) 36(5.8,-2.25) 37(5.8,-1.75) 38(5.8,-1.25) 39(5.8,-0.75) 40(5.8,-0.25) 41(5.8,0.25) 42(5.8,0.75) 43(5.8,1.25) 44(5.8,1.75) 45(5.8,2.25) 46(5.8,2.75) 47(5.8,3.25) 48(5.8,3.75)
  oval 0.3x1.6 smd: 17(-3.75,-5.8) 18(-3.25,-5.8) 19(-2.75,-5.8) 20(-2.25,-5.8) 21(-1.75,-5.8) 22(-1.25,-5.8) 23(-0.75,-5.8) 24(-0.25,-5.8) 25(0.25,-5.8) 26(0.75,-5.8) 27(1.25,-5.8) 28(1.75,-5.8) 29(2.25,-5.8) 30(2.75,-5.8) 31(3.25,-5.8) 32(3.75,-5.8) 49(3.75,5.8) 50(3.25,5.8) 51(2.75,5.8) 52(2.25,5.8) 53(1.75,5.8) 54(1.25,5.8) 55(0.75,5.8) 56(0.25,5.8) 57(-0.25,5.8) 58(-0.75,5.8) 59(-1.25,5.8) 60(-1.75,5.8) 61(-2.25,5.8) 62(-2.75,5.8) 63(-3.25,5.8) 64(-3.75,5.8)
  silkscreen extent -5.93,-4.6 4.6,5.02, body extent -5.98,-6 6.02,6, height 1.56
TESTPOINT_CIRCLE_1MM [mm]
  round 1 smd: 1(0,0)
TESTPOINT_LOOP [mm]
  round 2.54 hole 1.02: 1(0,0)
  body extent -1.27,-1.27 1.27,1.27, height 4.57
TRANS_BSC007N04LS6ATMA1 [mm]
  rect 1.2x3.3 smd paste-3 mask+0: 1(-2.775,0.66)
  rect 1.2x0.6 smd paste-2 mask+0: 4(-2.775,-1.96)
  rect 4.65x4.51 smd paste-3 mask+0: 8(1.05,-0.055)
  silkscreen extent -4.05,-2.58 3,2.58, body extent -2.97,-2.65 3.28,2.55, height 1.1
TRANS_DMP2002UPS-13 [mm]
  rect 0.5x0.5 smd paste-1 mask+0: 1(0.535,0)
  rect 1.27x0.61 smd: 2(-2.67,-0.635) 2(-2.67,0.635) 2(-2.67,1.905) 3(-2.67,-1.905)
  Top Layer region: 3.305,1.6 2.595,1.6 2.595,0.94 3.305,0.94 3.305,0.33 2.595,0.33 2.595,-0.33 3.305,-0.33 3.305,-0.94 2.595,-0.94 2.595,-1.6 3.305,-1.6 3.305,-2.21 2.285,-2.21 2.285,-1.955 -1.215,-1.955 -1.215,1.955 2.285,1.955 2.285,2.21 3.305,2.21
  silkscreen extent -3.9,-2.53 2.9,2.53, body extent -3.05,-2.45 3.15,2.45, height 1.75
TVS_DIODE_BIDIRECTIONAL [mm]
  rrect15% 2.3x2.5 smd: 1(-2.45,0) 2(2.45,0)
  silkscreen extent -2.25,-2.03 2.25,2.03, body extent -2.7,-1.8 2.7,1.8, height 2.27
"WE-HCM 1390" [mm] "SMD Inductor, 2-Leads, Body 12,50x13,00mm"
  rect 2.5x5 smd: 1(-6.25,0) 2(6.25,0)
  silkscreen extent -6.5,-6.75 6.5,6.75, body extent -7,-6.5 7,6.5, height 8.95

## Part data
C1 C6: "CAP ALUM 68UF 20% 35V SMD", ESR (Equivalent Series Resistance)=340mR, Manufacturer 1=Nichicon, Manufacturer Part Number 1=UUD1V680MCL1GS, Max Operating Temperature=105°C, Min Operating Temperature=-55°C, Package/Footprint=SMD, Supplier Part Number 1=493-2289-1-ND, Tolerance=20%, Voltage Rating=35V, Voltage Rating (DC)=50V, Diameter=6.3mm, Height - Seated (Max)=7.7mm, Mounting Type=SMD, Polarity=Polar, Supplier 1=Digi-Key
C2: "CAP CER 2.2UF 25V X7R 0805", LCSC Part #=C49217, Manufacturer 1="Samsung Electro-Mechanics", Manufacturer Part Number 1=CL21B225KAFNNWE, Package/Footprint=0805, Supplier Part Number 1=1276-2955-1-ND, Voltage Rating=25V, Mounting Type=SMD, Supplier 1=Digi-Key
C3 C4 C5 C7 C8 C9 C11 C12 C13 C14 C15 C16 C29 C30 C31 C32 C33 C37 C38 C39 C40 C41 C42 C43: "CAP CER 10uF 100V X7S 10% 1210", Dielectric=X7S, Manufacturer 1=Murata, Manufacturer Part Number 1=GRM32EC72A106KE05L, Package/Footprint=1210, Supplier Part Number 1=490-16266-1-ND, Tolerance=10%, Voltage Rating=100V, Mounting Type=SMD, Supplier 1=Digi-Key
C10 C27: "CAP CER 0.22UF 50V X7R 0805", Dielectric=X7R, LCSC Part #=C5378, Manufacturer 1=KEMET, Manufacturer Part Number 1=C0805C224K5RACTU, Package/Footprint=0805, Supplier Part Number 1=399-3491-1-ND, Voltage Rating=50V, Mounting Type=SMD, Supplier 1=Digi-Key
C17 C23 C24 C35 C44 C47 C48 C49 C50 C52 C53 C61 C62 C63 C64: "CAP CER 0.1UF 50V X7R 0805", Dielectric=X7R, LCSC Part #=C49678, Manufacturer 1="Murata Electronics", Manufacturer Part Number 1=GCM21BR71H104KA37K, Package/Footprint=0805, Ratings=AEC-Q200, Supplier Part Number 1=490-8049-1-ND, Tolerance=10%, Voltage Rating=50V, Depth=1.25mm, Height=1.25mm, Length=2mm, Mount="Surface Mount", Mounting Type=SMD, Supplier 1=Digi-Key, Thickness=0.049inch, Width=0.049inch
C18: "CAP CER 47PF 100V NPO 0805", Capacitance=47pF, Manufacturer 1=Yageo, Manufacturer Part Number 1=AC0805JRNPO0BN470, Package/Footprint=0805, Supplier Part Number 1=311-3131-1-ND, Voltage Rating=100V, Mounting Type=SMD, Supplier 1=Digi-Key
C19: "CAP CER 33PF 50V C0G/NP0 0805", Dielectric=C0G/NP0, Manufacturer 1="Samsung Electro-Mechanics", Manufacturer Part Number 1=CL21C330JBANNNC, Package/Footprint=0805, Supplier Part Number 1=1276-1105-1-ND, Mount="Surface Mount", Mounting Type=SMD, Supplier 1=Digi-Key
C20 C21 C45 C46 C55 C58: "CAP CER 1UF 50V X7R 0805", LCSC Part #=C28323, Manufacturer 1="Samsung Electro-Mechanics", Manufacturer Part Number 1=CL21B105KBFNNNG, Package/Footprint=0805, Supplier Part Number 1=1276-6470-1-ND, Temperature Coefficient=X7R, Tolerane=±10%, Voltage Rating=50V, Mounting Type=SMD, Supplier 1=Digi-Key
C22: "CAP CER 5600PF 50V C0G 0805", Capacitance=5.6nF, Dielectric=C0G, Manufacturer 1="TDK Corporation", Manufacturer Part Number 1=CGA4C2C0G1H562J060AA, Package/Footprint=0805, Supplier Part Number 1=445-6944-1-ND, Tolerance=5%, Voltage Rating=50V, Mounting Type=SMD, Supplier 1=Digi-Key, Voltage Rating (DC)=50V
C25: "CAP CER 100PF 50V C0G/NP0 0805", Dielectric="C0G, NP0", Manufacturer 1=KEMET, Manufacturer Part Number 1=C0805C101J5GACTU, Package/Footprint=0805, Supplier Part Number 1=399-1122-1-ND, Voltage Rating=50V, Mounting Type=SMD, Supplier 1=Digi-Key
C26: "CAP CER 0.022UF 50V C0G 0805", Dielectric=C0G, LCSC Part #=C1729, Manufacturer 1="TDK Corporation", Manufacturer Part Number 1=CGA4J2C0G1H223J125AA, Package/Footprint=2012, Supplier Part Number 1=445-6949-1-ND, Voltage Rating=50V, Mounting Type=SMD, Supplier 1=Digi-Key
C28: "CAP CER 470PF 50V X7R 0805", Capacitance=470pF, Dielectric=X7R, Manufacturer 1="Kyocera AVX", Manufacturer Part Number 1=08055C471JAT2A, Package/Footprint=0805, Supplier Part Number 1=478-7958-1-ND, Voltage Rating=50V, Mounting Type=SMD, Supplier 1=Digi-Key
C34: "CAP CER 8200PF 50V X7R 0805", Capacitance=8.2nF, Dielectric=X7R, Package/Footprint=0805, Supplier Part Number 1=478-9924-6-ND, Voltage Rating=50V, Mounting Type=SMD, Supplier 1=Digi-Key
C36: "CAP ALUM 10000UF 20% 10V RADIAL", Capacitance=10000uF, Manufacturer 1=Nichicon, Max Operating Temperature=85°C, Min Operating Temperature=-40°C, Package/Footprint=TH, Ripple Current=2.35A, Supplier Part Number 1=493-12364-1-ND, Tolerance=20%, Voltage Rating=10V, Height - Seated (Max)=1.043inch, Lead Pitch=0.295inch, Life (Hours)=2000Hour, Manufacturer Part Number 1=URS1A103MHD1TN, Mounting Type=TH, Supplier 1=Digi-Key
C51 C59: "CAP CER 4.7UF 16V X5R 0805", Dielectric=X5R, LCSC Part #=C1779, Manufacturer 1="Samsung Electro-Mechanics", Manufacturer Part Number 1=CL21A475KOFNNNE, Package/Footprint=0805, Supplier Part Number 1=1276-1065-1-ND, Voltage Rating=16V, Mounting Type=SMD, Supplier 1=Digi-Key
C54 C60: "CAP CER 10000PF 100V X7R 0805", Dielectric=X7R, LCSC Part #=C1710, Manufacturer 1="AVX Corporation", Manufacturer Part Number 1=08051C103KAT2A, Package/Footprint=0805, Supplier Part Number 1=478-1358-1-ND, Voltage Rating=100V, Mounting Type=SMD, Supplier 1=Digi-Key
C56 C57: "CAP CER 14PF 50V C0G/NP0 0603", Dielectric=C0G, Manufacturer 1=Samsung, Manufacturer Part Number 1=CL10C140JB8NNNC, Package/Footprint=0603, Supplier Part Number 1=1276-2187-1-ND, Voltage Rating=50V, Mounting Type=SMD, Supplier 1=Digi-Key